# Altium PCB Negatoscop PCB.PcbDoc
Units mm, origin at the board's own origin, x right, y up, seen from the top; angles counter-clockwise.
Board outline 110.88 x 67.7 mm, 2 copper layers (Top Layer, Bottom Layer); 86 components, 78 nets, 289 pads, 114 vias.
Unrouted connection lines stored in the file: 70.
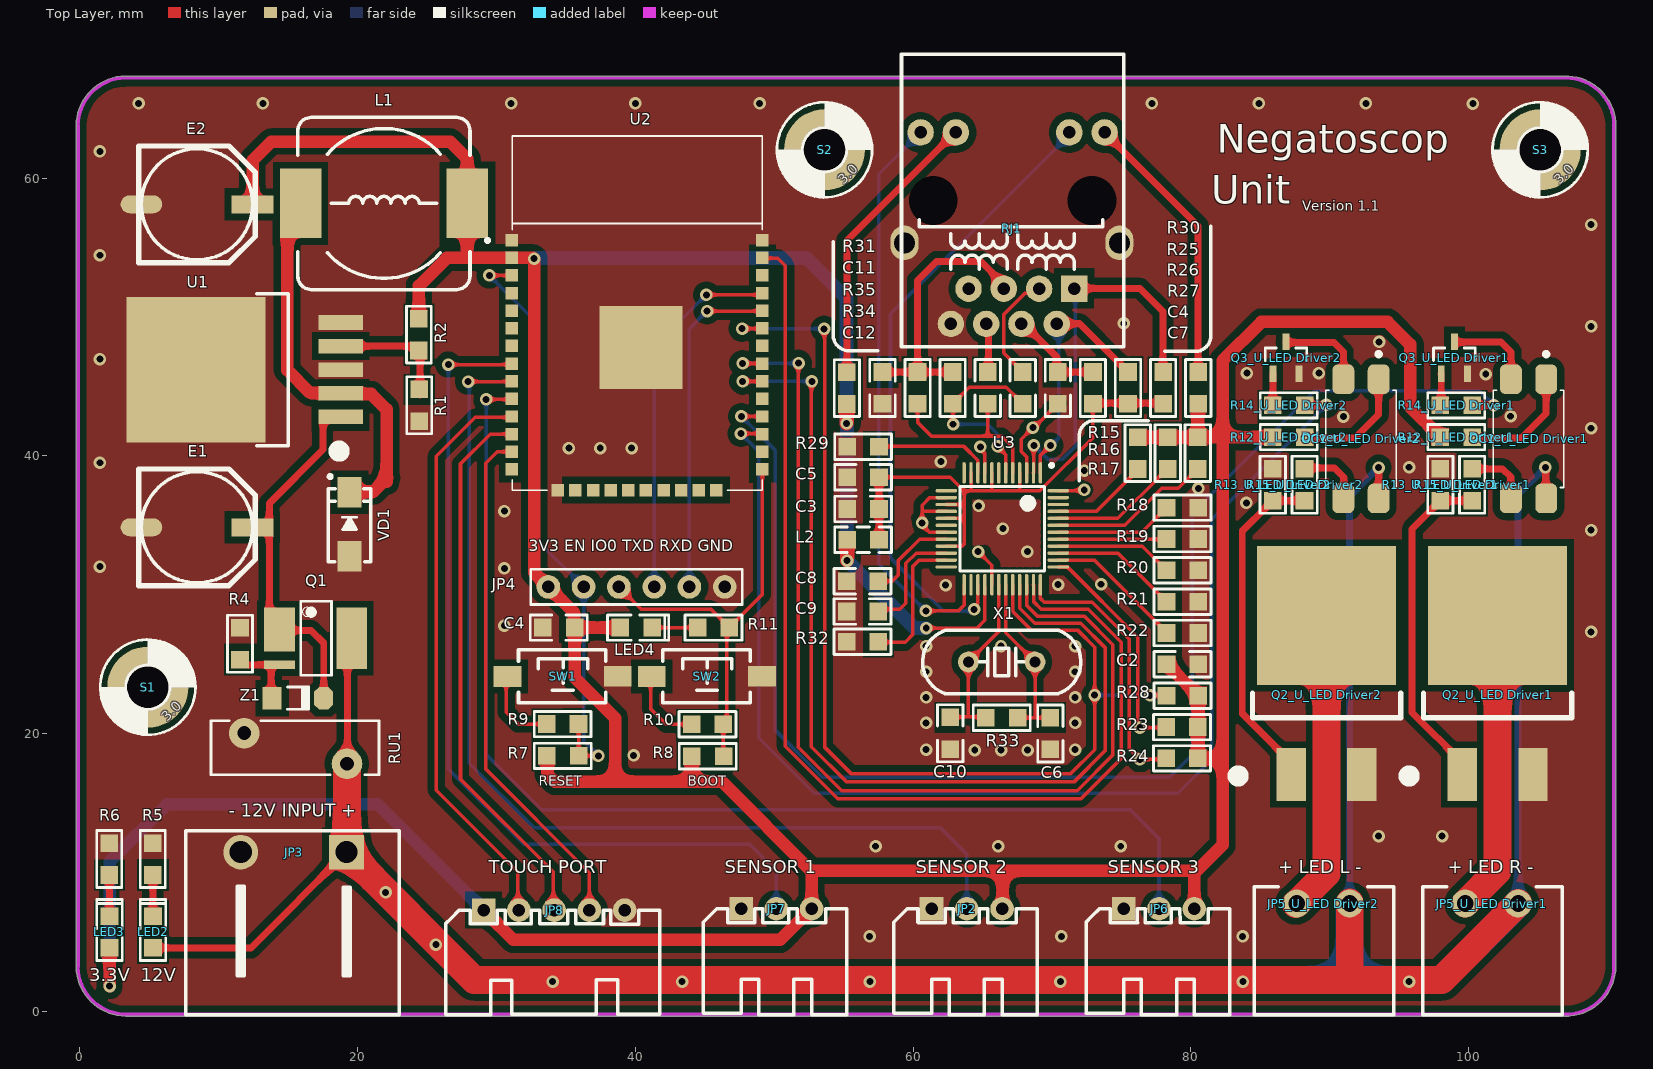
[diagram p0: Top Layer view]
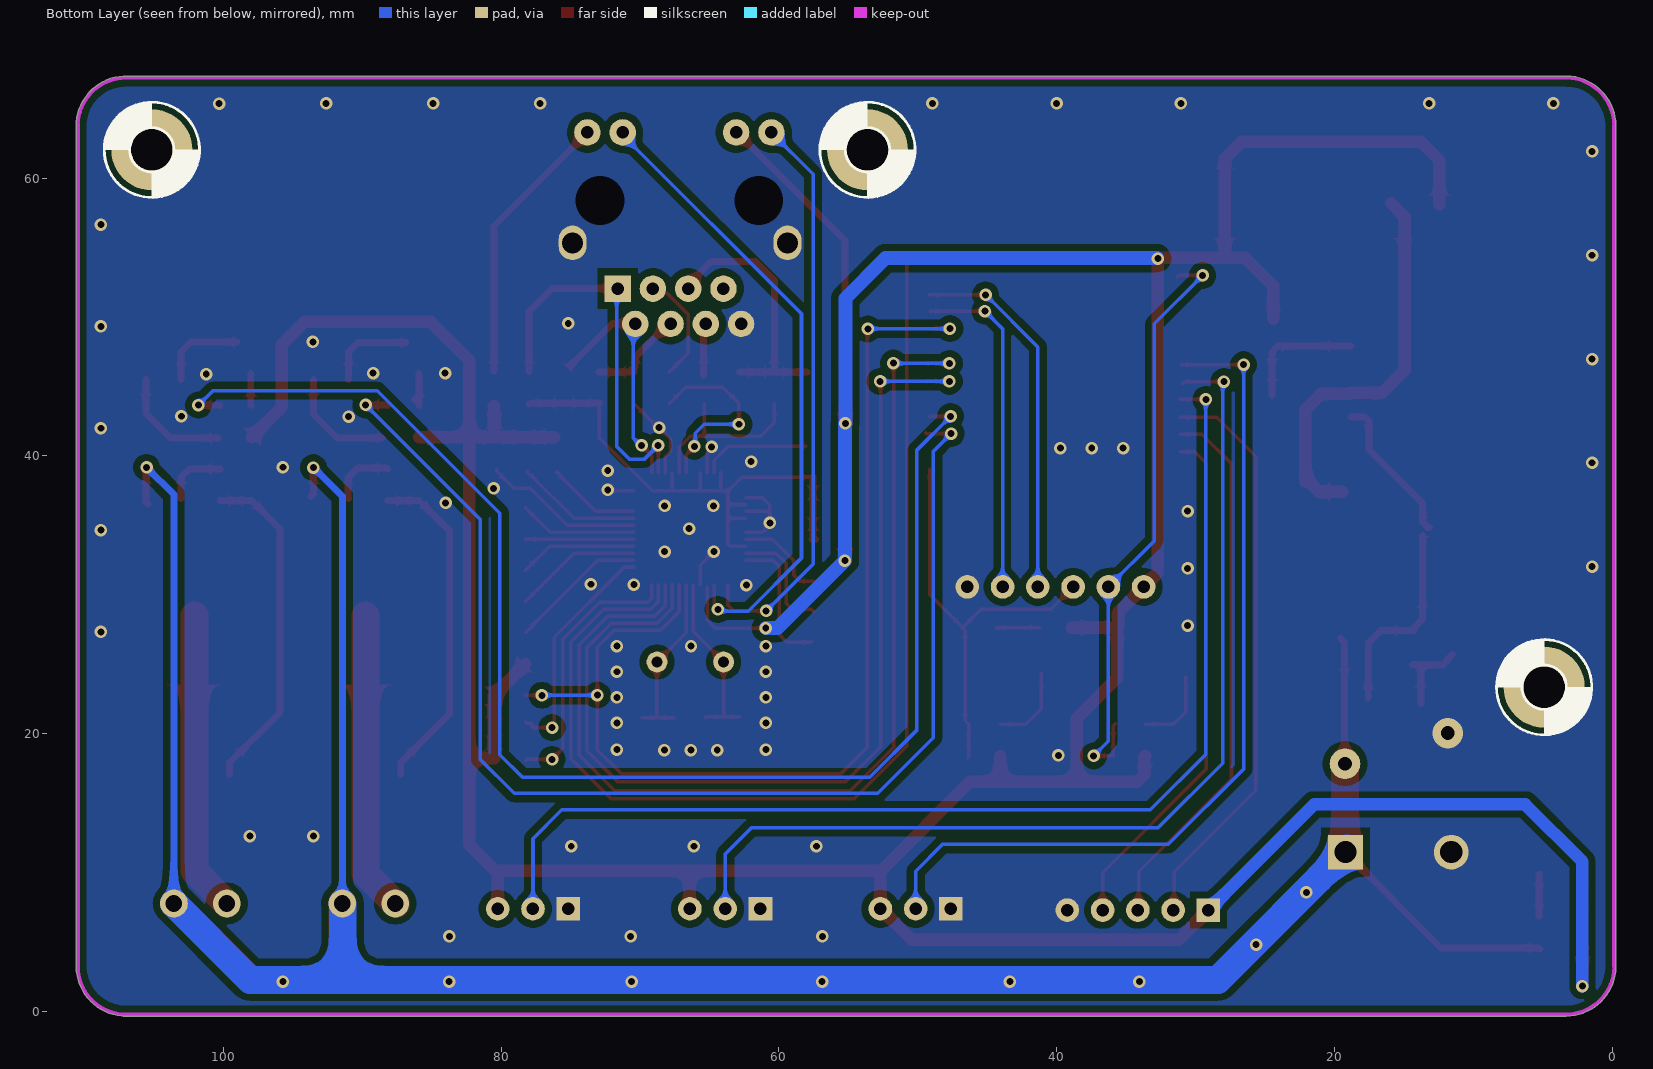
[diagram p1: Bottom Layer view, seen from below]

## Layer stack, top to bottom
Top Solder: solder mask 0.0102, Solder Resist, Dk 3.5
Top Layer: signal copper 0.0356
Dielectric 1: dielectric 0.32, FR-4, Dk 4.8
Bottom Layer: signal copper 0.0356
Bottom Solder: solder mask 0.0102, Solder Resist, Dk 3.5

## Board outline
-0.267,3.474 ccw(c3.323,3.256) 3.288,-0.341 3.289,-0.341 106.79,-0.341 ccw(c107.008,3.25) 107.225,-0.341 107.351,-0.331 ccw(c107.008,3.25) 110.588,2.898 110.605,2.962 110.605,63.537 ccw(c107.014,63.754) 110.611,63.754 ccw(c107.014,63.754) 107.211,67.346 107.175,67.351 3.547,67.351 ccw(c3.33,63.761) -0.267,63.796 -0.267,63.795

## Design rules (kind name [scope] priority, off if disabled: settings)
Clearance Clearance_1 [InNamedPolygon('GND_L01_P002') Or InNamedPolygon('GND_L02_P003')] p1: gap=0.5 ignorepadtopadclearanceinfootprint=FALSE
Clearance [All] p2: gap=0.15 ignorepadtopadclearanceinfootprint=FALSE
HoleSize [All] p1: absolutevalues=TRUE maxlimit=10 minlimit=0.025 maxpercent=80.000 minpercent=20.000
PolygonConnect PolygonConnect_1 [All vs IsNamedPolygon('GND_L01_P002') Or IsNamedPolygon('GND_L02_P003')] p1: connectstyle=Direct reliefconductorwidth=0.254 reliefentries=4 polygonreliefangle="90 Angle" airgapwidth=0.254
PolygonConnect [All] p2: connectstyle=Relief reliefconductorwidth=0.254 reliefentries=4 polygonreliefangle="90 Angle" airgapwidth=0.254
RoomDefinition U_W5500 [InComponentClass('U_W5500')] p1 off: confinementstyle=ConfineIn formatcopy=TRUE lockcomponents=FALSE outline -85.357,-36.154 -34.557,-36.154 -34.557,-10.754 -85.357,-10.754
RoomDefinition "U_LED Driver2" [InComponentClass('U_LED Driver2')] p2 off: confinementstyle=ConfineIn formatcopy=TRUE lockcomponents=FALSE outline -85.357,-36.154 -34.557,-36.154 -34.557,-10.754 -85.357,-10.754
RoomDefinition "U_LED Driver1" [InComponentClass('U_LED Driver1')] p3 off: confinementstyle=ConfineIn formatcopy=TRUE lockcomponents=FALSE outline -85.357,-36.154 -34.557,-36.154 -34.557,-10.754 -85.357,-10.754
RoomDefinition U_Esp32 [InComponentClass('U_Esp32')] p4 off: confinementstyle=ConfineIn formatcopy=TRUE lockcomponents=FALSE outline -85.357,-36.154 -34.557,-36.154 -34.557,-10.754 -85.357,-10.754
RoomDefinition Main [InComponentClass('Main')] p5 off: confinementstyle=ConfineIn formatcopy=TRUE lockcomponents=FALSE outline -85.357,-36.154 -34.557,-36.154 -34.557,-10.754 -85.357,-10.754
RoutingVias [All] p1: holewidth=0.5 width=0.9 viastyle="Through Hole" minholewidth=0.5 minwidth=0.9 maxholewidth=0.5 maxwidth=0.9
SolderMaskExpansion [All] p1: expansion=0.102 istentingtop=FALSE
Width [All] p1: maxlimit=5 minlimit=0.254 preferedwidth=0.5
29 further rules are at their usual default settings.

## Classes and differential pairs
component class U_W5500: C2 C3 C4 C5 C6 C7 C8 C9 C10 C11 C12 L2 "R15_U_LED Driver2" R16 R17 R18 R19 R20 R21 R22 R23 R24 R25 R26 R27 R28 R29 R30 R31 R32 R33 R34 R35 RJ1 U3 X1
component class "U_LED Driver2": "JP5_U_LED Driver2" "OC1_U_LED Driver1" "OC1_U_LED Driver2" "Q2_U_LED Driver2" "Q3_U_LED Driver2" "R12_U_LED Driver2" "R13_U_LED Driver1" "R13_U_LED Driver2" "R14_U_LED Driver2" "R15_U_LED Driver2"
component class "U_LED Driver1": "JP5_U_LED Driver1" "OC1_U_LED Driver1" "Q2_U_LED Driver1" "Q3_U_LED Driver1" "R12_U_LED Driver1" "R13_U_LED Driver1" "R14_U_LED Driver1" "R15_U_LED Driver1"
component class U_Esp32: C4 JP4 LED4 R7 R8 R9 R10 R11 SW1 SW2 U2
channel class "LED Driver": "U_LED Driver1" "U_LED Driver2"
component class Main: E1 E2 JP2 JP3 JP6 JP7 JP8 L1 LED2 LED3 Q1 R1 R2 R4 R5 R6 RU1 S1 S2 S3 U1 VD1 Z1

## Components (designator, comment, footprint, x,y, rotation, side; value= is the part's Value field where it differs from the comment)
C2 "0.1uF" "C 0805" 79.395,24.989 r180 top
C3 "0.1uF" "C 0805" 56.405,36.175 r0 top
C4 "22nF" "C 0805" 70.427,44.897 r270 top
C4 "22uF" "C 0805" 34.486,27.639 r180 top
C5 "0.1uF" "C 0805" 56.405,38.471 r0 top
C6 "18pF" "C 0805" 69.888,20.005 r270 top
C7 "6.8nF" "C 0805" 67.901,44.897 r90 top
C8 "4.7uF" "C 0805" 56.361,30.98 r180 top
C9 "0.01uF" "C 0805" 56.361,28.796 r180 top
C10 "18pF" "C 0805" 62.674,20.03 r270 top
C11 "0.01uF" "C 0805" 57.798,44.897 r270 top
C12 "6.8nF" "C 0805" 65.375,44.897 r90 top
E1 "100uF/50V" "CM E(8*10.2)" 8.433,34.859 r0 top
E2 "220uF/35V" "CM E(8*10.2)" 8.433,58.12 r0 top
JP2 "HDR-1X3" XH2.54-3P_H 61.328,7.386 r0 top
JP3 "HDR-1X2" KF2EDGK-2P_H_7.62 19.205,11.466 r180 top
JP4 "HDR-1X6" HDR-1X6 33.735,30.568 r0 top
"JP5_U_LED Driver1" "HDR-1X2" KF381GR-2 101.816,4.233 r180 top (schematic designator JP5)
"JP5_U_LED Driver2" "HDR-1X2" KF381GR-2 89.687,4.233 r180 top (schematic designator JP5)
JP6 "HDR-1X3" XH2.54-3P_H 75.171,7.386 r0 top
JP7 "HDR-1X3" XH2.54-3P_H 47.612,7.386 r0 top
JP8 "HDR-1X5" XH2.54-5P_H 29.07,7.294 r0 top
L1 "?uH" CDRH125 21.892,58.181 r0 top
L2 "1uH" "L 0805" 56.405,33.965 r0 top
LED2 "LED-SMD" "LED 0805R" 5.263,5.715 r90 top
LED3 "LED-SMD" "LED 0805R" 2.129,5.715 r90 top
LED4 "LED-SMD" "LED 0805B" 40.062,27.639 r0 top
"OC1_U_LED Driver1" "817" PC817-SMD 104.323,41.227 r270 top (schematic designator OC1)
"OC1_U_LED Driver2" "817" PC817-SMD 92.258,41.227 r270 top (schematic designator OC1)
Q1 "FDS4435BZ" SOP8-E3 16.972,26.868 r270 top
"Q2_U_LED Driver1" "IRFZ44N N-Chanel" TO263-3B 102.095,28.509 r0 top (schematic designator Q2)
"Q2_U_LED Driver2" "IRFZ44N N-Chanel" TO263-3B 89.776,28.509 r0 top (schematic designator Q2)
"Q3_U_LED Driver1" "SS8050" SOT23-3N 98.989,47.069 r0 top (schematic designator Q3)
"Q3_U_LED Driver2" "SS8050" SOT23-3N 86.858,47.069 r0 top (schematic designator Q3)
R1 "1K" "R 0805" 24.437,43.645 r90 top
R2 "=Value" "R 0805" 24.407,48.73 r90 top
R4 "1K" "R 0805" 11.524,26.469 r270 top
R5 "10K" "R 0805" 5.247,10.965 r90 top
R6 "1K" "R 0805" 2.113,10.965 r90 top
R7 "10K" "R 0805" 34.771,18.395 r180 top
R8 "10K" "R 0805" 45.209,18.377 r180 top
R9 "1K" "R 0805" 34.763,20.69 r0 top
R10 "1K" "R 0805" 45.192,20.672 r0 top
R11 "1K" "R 0805" 45.623,27.639 r0 top
"R12_U_LED Driver1" "1k" "R 0805" 99.116,41.354 r180 top (schematic designator R12)
"R12_U_LED Driver2" "1k" "R 0805" 87.051,41.354 r180 top (schematic designator R12)
"R13_U_LED Driver1" "10K" "R 0805" 97.973,37.925 r90 top (schematic designator R13)
"R13_U_LED Driver2" "10K" "R 0805" 85.908,37.925 r90 top (schematic designator R13)
"R14_U_LED Driver1" "4.7K" "R 0805" 99.116,43.64 r180 top (schematic designator R14)
"R14_U_LED Driver2" "4.7K" "R 0805" 87.051,43.64 r180 top (schematic designator R14)
R15 "10K" "R 0805" 76.175,40.198 r90 top
"R15_U_LED Driver1" "2.2K" "R 0805" 100.259,37.925 r270 top (schematic designator R15)
"R15_U_LED Driver2" "2.2K" "R 0805" 88.194,37.925 r270 top (schematic designator R15)
R16 "10K" "R 0805" 78.346,40.198 r90 top
R17 "10K" "R 0805" 80.5,40.198 r90 top
R18 "10K" "R 0805" 79.395,36.276 r0 top
R19 "10K" "R 0805" 79.395,34.019 r0 top
R20 "10K" "R 0805" 79.395,31.761 r0 top
R21 "10K" "R 0805" 79.395,29.504 r0 top
R22 "10K" "R 0805" 79.395,27.247 r0 top
R23 "10K" "R 0805" 79.37,20.474 r0 top
R24 "10K" "R 0805" 79.37,18.217 r0 top
R25 "51R" "R 0805" 78.005,44.897 r270 top
R26 "51R" "R 0805" 75.479,44.897 r90 top
R27 "10R" "R 0805" 72.953,44.897 r90 top
R28 "10K" "R 0805" 79.395,22.732 r0 top
R29 "12.4K 1%" "R 0805" 56.405,40.655 r0 top
R30 "1K" "R 0805" 80.531,44.897 r270 top
R31 "1K" "R 0805" 55.232,44.88 r270 top
R32 "10K" "R 0805" 56.361,26.611 r180 top
R33 "1M" "R 0805" 66.383,21.148 r0 top
R34 "82R" "R 0805" 62.85,44.897 r270 top
R35 "82R" "R 0805" 60.324,44.897 r90 top
RJ1 "HR911105A" RJ-45A12 73.793,63.295 r90 top
RU1 "*" "Varistor Short Hieght - Straight" 11.533,18.933 r0 top
S1 "Round Pad" P3.0C 4.892,23.345 r0 top
S2 "Round Pad" P3.0C 53.622,62.045 r0 top
S3 "Round Pad" P3.0C 105.161,62.045 r0 top
SW1 "3x6x5" "TSW SMD-3*6*2.5" 34.796,24.134 r0 top
SW2 "3x6x5" "TSW SMD-3*6*2.5" 45.175,24.134 r0 top
U1 "LM2596-ADJ" TO263-5A 18.786,46.205 r90 top
U2 "ESP32S" ESP32S 8.812,37.504 r0 top
U3 "SPI Ethernet IC" "LQFP48 7X7_L" 66.422,34.751 r180 top
VD1 "SS34" SMA 19.418,35.085 r90 top
X1 "25M" XTAL-HC49S-THD 66.383,25.161 r0 top
Z1 "1N4106" DO-213AA 15.702,22.55 r0 top

## Footprints (in the part's own frame and the unit in brackets; to place one, negate y for a bottom-side part, rotate by r counter-clockwise, add the part's x,y. Pads: shape width x height; smd on the part's side, far side on the other; paste and mask are expansions set on the pad)
"C 0805" [mil] "ï¿½Þ¼ï¿½ï¿½ï¿½ï¿½ï¿½Æ¬ï¿½ï¿½ï¿½ï¿½"
  rect 50x50 smd: 1(-45,0) 2(45,0)
  silkscreen extent -81,-36 81,36, body extent -39,-24 39,24, height 20
CDRH125 [mm] "12*12*5mm£¨³¤¿í¸ß£©"
  rect 3x5 smd: 1(-6,0) 2(6,0)
  silkscreen extent -6.2,-6.2 6.2,6.2, body extent -6,-6 6,6, height 5.05
"CM E(8*10.2)" [mm] "ï¿½ï¿½Æ¬ï¿½ï¿½ï¿½ï¿½ï¿½Ý£ï¿½Ö±ï¿½ï¿½8mmï¿½ï"
  rect 3x1.3 smd: 1(4,0)
  oval 3x1.3 smd: 2(-4,0)
  silkscreen extent -4.2,-4.2 4.2,4.2, body extent -4.5,-4.15 4.5,4.15, height 10.2
DO-213AA [mm] "1.5*3.5mm(Ö±¾¶£¬½Å¾à£©"
  rect 1.37x1.62 smd: 1(-1.855,0)
  oct 1.37x1.62 smd: 2(1.855,0)
  silkscreen extent -0.76,-0.8 0.78,0.8, body extent -1.75,-0.75 1.75,0.75, height 1.53
ESP32S [mm] "ESP32S-Module"
  rect 0.9x0.9 smd: 1(22.301,18.034) 2(22.301,16.764) 3(22.301,15.494) 4(22.301,14.224) 5(22.301,12.954) 6(22.301,11.684) 7(22.301,10.414) 8(22.301,9.144) 9(22.301,7.874) 10(22.301,6.604) 11(22.301,5.334) 12(22.301,4.064) 13(22.301,2.794) 14(22.301,1.524) 15(25.601,0.034) 16(26.871,0.034) 17(28.141,0.034) 18(29.411,0.034) 19(30.681,0.034) 20(31.951,0.034) 21(33.221,0.034) 22(34.491,0.034) 23(35.761,0.034) 24(37.031,0.034) 25(40.335,1.524) 26(40.335,2.794) 27(40.335,4.064) 28(40.335,5.334) 29(40.335,6.604) 30(40.335,7.874) 31(40.335,9.144) 32(40.335,10.414) 33(40.335,11.684) 34(40.335,12.954) 35(40.335,14.224) 36(40.335,15.494) 37(40.335,16.764) 38(40.335,18.034)
  rect 6x6 smd: 39(31.601,10.3)
  silkscreen extent 20.44,0.03 40.32,25.53, body extent 22.31,0.02 40.31,25.52, height 2.84
HDR-1X6 [mm] "ï؟½ï؟½ï؟½ë£¬6ï؟½ï؟½"
  round 1.7 hole 0.9: 1(0,0) 2(2.54,0) 3(5.08,0) 4(7.62,0) 5(10.16,0) 6(12.7,0)
  silkscreen extent -1.27,-1.27 13.97,1.27, body extent -1.27,-1.27 13.97,1.27, height 8.5
KF2EDGK-2P_H_7.62 [mm] "ï¿½ï¿½Ç²ï¿½ï¿½Ê½ï¿½ï¿½ï¿½ï¿½"
  rect 2.5x2.5 hole 1.6: 1(0,0)
  round 2.5 hole 1.6: 2(7.625,0)
  silkscreen extent -3.8,-1.52 11.58,11.7, body extent -3.78,-0.61 11.47,11.59, height 8.04
KF381GR-2 [mm]
  round 2 hole 1.2: 1(-1.755,-3.533) 2(2.055,-3.533)
  silkscreen extent -4.93,-4.73 5.1,4.47, body extent -4.81,-4.7 5.1,4.5, height 7.35
"L 0805" [mm] "Ð¡¹¦ÂÊÌùÆ¬µç¸Ð"
  rect 1.27x1.27 smd: 1(-1.143,0) 2(1.143,0)
  silkscreen extent -2.05,-0.91 2.05,0.91, body extent -1,-0.6 1,0.6, height 0.9
"LED 0805B" [mil] "ï؟½ï؟½ة«0805LED"
  rect 50x50 smd: 1(-45,0) 2(45,0)
  silkscreen extent -81,-36 92,36, body extent -39,-25 39,25, height 32
"LED 0805R" [mil] "ï¿½ï¿½É«0805LED"
  rect 50x50 smd: 1(-45,0) 2(45,0)
  silkscreen extent -81,-36 92,36, body extent -39,-25 39,25, height 32
"LQFP48 7X7_L" [mm] "48½Å£¬Ìå¿í7x7mm£¬½Å¾à0.5mm"
  oval 0.25x1.55 smd: 1(-2.75,-4.025) 2(-2.25,-4.025) 3(-1.75,-4.025) 4(-1.25,-4.025) 5(-0.75,-4.025) 6(-0.25,-4.025) 7(0.25,-4.025) 8(0.75,-4.025) 9(1.25,-4.025) 10(1.75,-4.025) 11(2.25,-4.025) 12(2.75,-4.025) 25(2.75,4.025) 26(2.25,4.025) 27(1.75,4.025) 28(1.25,4.025) 29(0.75,4.025) 30(0.25,4.025) 31(-0.25,4.025) 32(-0.75,4.025) 33(-1.25,4.025) 34(-1.75,4.025) 35(-2.25,4.025) 36(-2.75,4.025)
  oval 1.55x0.25 smd: 13(4.025,-2.75) 14(4.025,-2.25) 15(4.025,-1.75) 16(4.025,-1.25) 17(4.025,-0.75) 18(4.025,-0.25) 19(4.025,0.25) 20(4.025,0.75) 21(4.025,1.25) 22(4.025,1.75) 23(4.025,2.25) 24(4.025,2.75) 37(-4.025,2.75) 38(-4.025,2.25) 39(-4.025,1.75) 40(-4.025,1.25) 41(-4.025,0.75) 42(-4.025,0.25) 43(-4.025,-0.25) 44(-4.025,-0.75) 45(-4.025,-1.25) 46(-4.025,-1.75) 47(-4.025,-2.25) 48(-4.025,-2.75)
  silkscreen extent -3.68,-4.7 3.05,3.05, body extent -4.5,-4.5 4.5,4.5, height 1.45
P3.0C [mil] "MOUNTING PAD 3.0 mm, round, 5.8 mm Diameter"
  round 230 hole 118.11: P(0,0)
  silkscreen extent -135,-135 135,135
PC817-SMD [mm]
  rrect50% 2.13x1.57 smd: 1(-4.29,1.27) 2(-4.29,-1.27) 3(4.29,-1.27) 4(4.29,1.27)
  silkscreen extent -6.25,-2.54 3.5,2.54, body extent -4.87,-2.29 4.87,2.29, height 4
"R 0805" [mm] "1/8Wï¿½ï¿½Æ¬ï¿½ï¿½ï¿½ï¿½"
  rect 1.27x1.27 smd: 1(-1.143,0) 2(1.143,0)
  silkscreen extent -2.05,-0.9 2.05,0.9, body extent -1,-0.62 1,0.63, height 0.5
RJ-45A12 [mil] "ï¿½ï¿½ï¿½ß½Ó¿ï¿½"
  oval 98.43x78.74 hole 59.06: 0(-312.99,567.32) 0(-312.99,-42.13)
  round 130 hole 137.8: 0(-192.91,485.83) 0(-192.91,35.83)
  rect 75x75 hole 35.43: 1(-442.91,85.83)
  round 75 hole 35.43: 2(-542.91,135.83) 3(-442.91,185.83) 4(-542.91,235.83) 5(-442.91,285.83) 6(-542.91,335.83) 7(-442.91,385.83) 8(-542.91,435.83) 9(0,0) 10(0,100) 11(0,421.65) 12(0,521.65)
  silkscreen extent -608,-54 222,576, body extent -605,-53 237,572, height 59
SMA [mm] "4.5x2.6*2.2mm£¨³¤¿í¸ß£¬²»°üÀ¨Òý½Å£©"
  rect 2.2x1.75 smd: 1(-2.3,0) 2(2.3,0)
  silkscreen extent -2.7,-1.52 3.56,1.52, body extent -2.53,-1.3 2.58,1.3, height 2.15
SOP8-E3 [mm]
  rect 3.15x2.2 smd mask+0: 1-3(-0.635,-2.6)
  rect 0.6x2.2 smd: 4(1.905,-2.6)
  rect 4.4x2.2 smd mask+0: 5-8(0,2.6)
  silkscreen extent -2.67,-1.07 2.67,1.14, body extent -2.46,-3.07 2.54,2.93, height 1.9
SOT23-3N [mm] "3x1.3x1mm(ï؟½ï؟½ï؟½ï؟½ï؟½)"
  rect 0.5x1.2 smd: 1(-0.95,-1.143) 2(0.95,-1.143) 3(0,1.143)
  silkscreen extent -1.5,-0.2 1.5,0.7, body extent -1.5,-1.2 1.5,1.2, height 1.05
TO263-3B [mm] "263£¬3½إ¾§جه¹ـ"
  rect 2.1x3.8 smd: 1(-2.54,-11.45) 3(2.54,-11.45)
  rect 10x10 smd: 2(0,0)
  silkscreen extent -6.75,-11.94 5.33,-5.59, body extent -5,-11.46 5,3.47, height 4.5
TO263-5A [mm] "263£¬5½Å¾§Ìå¹Ü"
  rect 1.05x3.2 smd: 1(-3.4,0) 2(-1.7,0) 3(0,0) 4(1.7,0) 5(3.4,0)
  rect 10.45x10 smd: 3(0,10.414)
  silkscreen extent -6.24,-0.25 5.46,6.04, body extent -5,-0.01 5,13.32, height 4.5
"TSW SMD-3*6*2.5" [mm] "3*6*2.5mm"
  rect 2x1.5 smd: 1(-3.996,-0.02) 2(3.937,0)
  silkscreen extent -3.21,-1.9 3.09,1.9, body extent -4,-1.88 4,1.62, height 2.59
"Varistor Short Hieght - Straight" [mm] "B57237"
  round 2.2 hole 1: 1(0.3,1.1) 2(7.7,-1.1)
  silkscreen extent -2.1,-1.9 10,2, body extent -2,-1.9 10,1.9, height 13
XH2.54-3P_H [mm] "½Ó²å¼þ£¬3P"
  rect 1.7x1.7 hole 0.9: 1(0,0)
  round 1.7 hole 0.9: 2(2.54,0) 3(5.08,0)
  silkscreen extent -2.72,-7.62 7.62,0, body extent -2.5,-7.35 7.58,0.35, height 5.73
XH2.54-5P_H [mm] "½Ó²å¼þ£¬5P"
  rect 1.7x1.7 hole 0.9: 1(0,0)
  round 1.7 hole 0.9: 2(2.54,0) 3(5.08,0) 4(7.62,0) 5(10.16,0)
  silkscreen extent -2.72,-7.53 12.7,0, body extent -2.5,-7.35 12.66,0.35, height 5.73
XTAL-HC49S-THD [mm]
  round 1.5 hole 0.8: 1(-2.4,0) 2(2.4,0)
  silkscreen extent -5.7,-2.28 5.7,2.28, body extent -5.68,-2.35 5.68,2.3, height 3.5

## Part data
C2 C3 C4 C4 C5 C6 C7 C8 C9 C10 C11 C12: library part C, "Non-polar patch capacitor", BOM名称=无极性贴片电容, 学习资源=www.ooocke.com, 版权归属=源创客
E1 E2: library part C-CM, "Chip electrolytic capacitor", BOM名称=贴片电解电容, 学习资源=www.ooocke.com, 版权归属=源创客
JP2 JP6 JP7: library part "Header 3", "3P Connector", BOM名称=3P接插件, 学习资源=www.ooocke.com, 版权归属=源创客
JP3 "JP5_U_LED Driver1" "JP5_U_LED Driver2": library part "Header 2", "2P Connector", BOM名称=2P接插件, 学习资源=www.ooocke.com, 版权归属=源创客
JP4: library part "Header 6", "6P Connector", BOM名称=6P接插件, 学习资源=www.ooocke.com, 版权归属=源创客
JP8: library part "Header 5", "5P Connector", BOM名称=5P接插件, 学习资源=www.ooocke.com, 版权归属=源创客
L1: library part L-CDRH, "Power shielded inductor", BOM名称=功率屏蔽电感, 学习资源=www.ooocke.com, 版权归属=源创客
L2: library part L, "Low power chip inductor", BOM名称=小功率贴片电感, 学习资源=www.ooocke.com, 版权归属=源创客
LED2 LED3 LED4: "Patch LED", BOM名称=贴片LED, 学习资源=www.ooocke.com, 版权归属=源创客
"OC1_U_LED Driver1" "OC1_U_LED Driver2": "AC Input Photocoupler", BOM名称=线性光耦, 学习资源=www.ooocke.com, 版权归属=源创客
"Q2_U_LED Driver1" "Q2_U_LED Driver2": library part IRFZ44N
"Q3_U_LED Driver1" "Q3_U_LED Driver2": library part 8050-SMD, "High frequency amplification-NPN", BOM名称=高频放大-NPN型, 学习资源=www.ooocke.com, 属性="40V 1.5A 1W 100MHZ", 版权归属=源创客
R1 R2 R4 R5 R6 R7 R8 R9 R10 R11 "R12_U_LED Driver1" "R12_U_LED Driver2" "R13_U_LED Driver1" "R13_U_LED Driver2" "R14_U_LED Driver1" "R14_U_LED Driver2" R15 "R15_U_LED Driver1" "R15_U_LED Driver2" R16 R17 R18 R19 R20 R21 R22 R23 R24 R25 R26 R27 R28 R29 R30 R31 R32 R33 R34 R35: library part R, "Chip resistor", BOM名称="Chip resistor", 学习资源=www.ooocke.com, 版权归属=源创客
RJ1: "Illuminated Ethernet interface", BOM名称=带灯以太网接口, 学习资源=www.ooocke.com, 版权归属=源创客
RU1: library part V, "Versiror"
S1 S2 S3: library part MOUNT-PAD-ROUND, "MOUNTING PAD, round"
SW1 SW2: library part "TSW 3x6", "3x6 tact switch", BOM名称=3x6轻触开关, 学习资源=www.ooocke.com, 版权归属=源创客
U1: library part LM2596, "DC step-down chip", BOM名称=DC稳压芯片, 学习资源=www.ooocke.com, 版权归属=源创客
U2: Package="Module Espressif Systems", Availability=Unavailable, MF="Espressif Systems", MP=ESP32-WROOM-32D, Price=None, SnapEDA_Link=https://www.snapeda.com/parts/ESP32-WROOM-32D/Espressif%20Systems/view-part/?ref=snap
U3: library part W5500
VD1: "Schottky diodes", BOM名称=肖特基二极管, 学习资源=www.ooocke.com, 属性=40V/3A, 版权归属=源创客
X1: library part XTAL-2, "2-Pin crystal", BOM名称=2脚晶振, 学习资源=www.ooocke.com, 版权归属=源创客
Z1: "12V/0.5W voltage regulator", BOM名称=12V/0.5W稳压管, 学习资源=www.ooocke.com, 版权归属=源创客

## Via types
v1: diameter 0.9, hole 0.5, Top Layer to Bottom Layer, tented both sides, 114 vias

## Nets (pads, with @x,y where several pads share a name; then routed paths per layer and width w, separated by ;. In a path a pad name is that pad's centre, name@x,y a point inside that pad or via, vN(x,y) a via of type N, cw(c..) or ccw(c..) an arc to the next point about the centre after c; other vN are vias at no path point)
3.3V: "R12_U_LED Driver1.2" "R12_U_LED Driver2.2" C2.2 C4.1@35.629,27.639 E2.1 JP2.3 JP4.1 JP6.3 JP7.3 JP8.1 L1.2 L2.1 LED3.1 LED4.1 R2.2 R7.2 R8.2 R15.2 R16.2 R17.2 R23.2 R24.2 R28.2 R30.2 R31.2 U2.2 U3.28 | length 353.6
  Top Layer w0.254: R31.2@55.212,43.717 R31.2 ; v1(60.948,27.602) 64.61,27.602 65.164,28.156 U3.28@65.164,30.556
  Top Layer w0.9: LED3.1@2.065,4.552 2.131,4.486 v1(2.131,1.814) ; E2.1 12.433,61.285 13.782,62.634 26.66,62.634 27.892,61.401 L1.2 27.892,54.348 ; R2.2 24.407,52.25 26.425,54.268 U2.2 32.645,54.268 v1(32.705,54.209) 32.705,31.598 34.335,29.968 35.572,28.731 35.572,27.697 C4.1@35.629,27.639 ; JP8.1@29.146,7.217 31.213,5.151 50.431,5.151 52.665,7.386 JP7.3 52.692,10.074 46.228,16.538 44.067,16.538 ; R7.2 33.678,18.345 33.678,17.065 34.205,16.538 38.534,16.538 ; LED4.1 C4.1@35.629,27.639 ; R8.2 44.067,16.538 ; 52.715,10.127 66.452,10.127 ; JP2.3@66.258,7.31 JP2.3@66.274,7.325 ; JP2.3@66.304,7.295 66.452,7.443 66.452,10.127 ; R15.2 R16.2 R17.2@80.424,41.341 ; C2.2 78.437,24.804 78.466,24.804 R28.2 ; 80.167,9.855 82.296,11.984 82.296,18.217 ; JP6.3 80.251,10.127 66.452,10.127 ; R17.2@80.424,41.387 80.464,41.347 R17.2@80.5,41.347 ; R24.2 82.296,18.217 ; R24.2@80.526,18.229 R28.2@80.526,22.732 ; R30.2@80.533,43.574 80.505,43.574 80.5,43.569 R17.2@80.5,41.347 ; 82.296,41.194 82.296,18.217 ; 85.908,41.354 85.901,41.347 82.296,41.347 ; 97.973,41.354 95.804,43.523 95.804,48.029 94.178,49.654 85.087,49.654 82.296,46.863 82.296,41.347 ; C4.1@35.629,27.639 35.629,24.028 38.534,21.123 38.534,16.538 ; 38.534,16.538 44.067,16.538 ; R17.2@80.5,41.347 82.296,41.347
  Top Layer w1: v1(55.212,42.344) R31.2@55.212,43.717 ; v1(55.242,32.464) 55.242,33.946 L2.1@55.245,33.948
  Bottom Layer w0.9: v1(2.131,1.814) 2.131,10.78 6.259,14.907 21.457,14.907 JP8.1
  Bottom Layer w1: v1@32.784,54.252 52.314,54.252 55.212,51.354 v1(55.212,42.344) ; v1@55.245,42.311 55.245,32.466 v1(55.242,32.464) 60.104,27.602 v1(60.948,27.602)
12V: E1.1 Q1.1-3 U1.1 Z1.2 | length 25.7
  Top Layer w0.5: E1.1@13.148,34.859 13.25,34.859 13.65,35.259 13.65,36.591 17.505,40.446 17.505,42.53 17.78,42.805 U1.1 ; E1.1@13.637,34.259 13.637,28.238 Q1.1-3 ; Q1.1-3@14.249,27.442 16.645,27.442 17.557,26.529 Z1.2
12VIN: "JP5_U_LED Driver1.1" "JP5_U_LED Driver2.1" "OC1_U_LED Driver1.4" "OC1_U_LED Driver2.4" JP3.1 LED2.1 Q1.5-8 RU1.2 | length 293.6
  Top Layer w0.5: LED2.1@5.184,4.475 5.281,4.572 12.311,4.572 JP3.1 ; RU1.2@19.254,17.872 19.254,26.55 Q1.5-8 ; v1(93.528,39.159) 93.528,37.259 93.708,37.079 ; 105.418,36.535 105.567,36.685 105.567,39.152 v1(105.542,39.177)
  Top Layer w2: JP3.1 28.405,2.266 98.057,2.266 103.584,7.793 ; JP3.1@19.233,11.511 RU1.2 ; 91.425,7.81 91.45,7.836 ; 91.442,2.436 91.442,7.766
  Bottom Layer w0.5: 91.434,7.836 91.434,37.065 v1(93.528,39.159) ; 103.571,7.766 103.571,37.206 v1(105.542,39.177)
  Bottom Layer w2: JP3.1@19.093,11.565 JP3.1@19.093,11.72 ; JP3.1 28.405,2.266 91.41,2.266 ; 91.442,7.766 91.41,7.733 91.41,2.266 ; 103.571,7.766 98.071,2.266 91.41,2.266
  other v1: 34.049,2.14 43.363,2.14 56.886,2.14 70.612,2.14 83.751,2.14 95.717,2.14 25.634,4.809 22.012,8.566
/INT: R24.1 U3.36 | length 19.5
  Top Layer w0.254: U3.36 69.172,29.731 69.451,29.451 72.908,29.451 75.565,26.794 75.565,18.926 v1(76.34,18.151) 78.143,18.151 R24.1@78.245,18.049
/RESET: R23.1 U3.37 | length 16.6
  Top Layer w0.254: U3.37 71.121,32.001 76.172,26.949 76.172,20.909 76.216,20.865 76.216,20.56 v1(76.34,20.437) 77.737,20.437 77.799,20.499 77.799,20.753 78.183,20.753 R23.1@78.245,20.815
/SPI-SCS: R28.1 U2.33 U3.32 | length 79.9
  Top Layer w0.254: v1(47.686,49.169) 49.113,49.169 U2.33@49.136,49.146 ; v1(53.597,49.146) 53.624,49.119 53.624,19.035 55.535,17.125 71.354,17.125 73.076,18.847 73.076,26.226 71.841,27.46 68.509,27.46 67.172,28.797 U3.32 ; v1(77.064,22.761) 78.223,22.761 R28.1
  Bottom Layer w0.254: v1(47.686,49.169) 47.697,49.158 53.585,49.158 v1(53.597,49.146) ; v1(73.076,22.776) 73.083,22.769 77.056,22.769 v1(77.064,22.761)
ACTLED: RJ1.10 U3.27 | length 45.6
  Top Layer w0.254: v1(64.392,28.946) 64.392,29.121 64.672,29.401 U3.27
  Bottom Layer w0.254: v1(64.392,28.946) 64.268,28.822 62.204,28.822 58.374,32.652 58.374,50.228 RJ1.10@71.467,63.321
Dimmer_1: "R14_U_LED Driver1.1" U2.28 | length 102
  Top Layer w0.254: v1@47.767,42.936 47.856,42.847 49.138,42.847 U2.28
  Top Layer w0.5: 100.259,43.64 100.268,43.649 101.797,43.649 v1(101.806,43.658)
  Bottom Layer w0.254: v1(47.633,42.847) 50.091,40.389 50.091,20.223 53.464,16.85 78.466,16.85 80.099,18.484 80.099,35.872 88.93,44.704 100.759,44.704 101.686,43.777 v1@101.951,43.777
DImmer_2: "R14_U_LED Driver2.1" U2.27 | length 90.1
  Top Layer w0.254: v1(47.598,41.61) 49.377,41.61 U2.27@49.418,41.651
  Top Layer w0.5: 88.194,43.64 88.209,43.655 89.743,43.655 v1(89.759,43.67)
  Bottom Layer w0.254: v1(47.598,41.61) 48.89,40.317 48.89,19.695 52.884,15.701 79.063,15.701 81.524,18.161 81.524,35.436 v1(89.759,43.67)
EN: JP4.2 R7.1 R9.2 U2.3 | length 43.4
  Top Layer w0.254: v1(29.489,52.995) 31.186,52.995 U2.3@31.3,52.88 ; R9.2@35.786,20.696 35.914,20.568 R7.1 35.919,18.4 v1(37.333,18.4)
  Bottom Layer w0.254: v1(29.489,52.995) 32.969,49.515 32.969,33.874 JP4.2 ; JP4.2@36.379,30.464 36.275,30.359 36.275,19.458 v1(37.333,18.4)
GND: "Q2_U_LED Driver1.3" "Q2_U_LED Driver2.3" "Q3_U_LED Driver1.2" "Q3_U_LED Driver2.2" "R13_U_LED Driver1.2" "R13_U_LED Driver2.2" C2.1 C3.1 C4.2 C5.1 C6.2 C8.2 C9.2 C10.2 C11.2 E1.2 E2.2 JP2.1 JP3.2 JP4.6 JP6.1 JP7.1 JP8.5 R1.1 R4.1 R5.2 R6.2 R18.2 R19.2 R20.2 R21.2 R22.2 R29.1 R32.2 RJ1.0 RJ1.8 RU1.1 SW1.2 SW2.2 U1.3 U1.5 U2.1 U2.15 U2.38 U2.39 U3.3 U3.9 U3.14 U3.16 U3.19 U3.29 U3.48 VD1.1 | length 20.2
  Top Layer w0.254: 60.65,36.001 60.65,36.446 61.204,37.001 U3.14 ; U3.19 62.395,34.503 61.153,34.503 60.538,35.118 60.596,35.176 v1(60.656,35.176) 60.656,36.001 U3.16 ; v1@64.752,32.974 64.828,32.974 65.672,32.131 U3.29 ; v1(64.852,40.649) 64.852,40.474 65.172,40.154 U3.9 ; U3.3 68.172,39.932 67.785,40.319 67.785,41.204 v1(68.623,42.042) ; v1@68.68,42.007 70.427,43.754 C4.2@70.485,43.812 ; U3.48 70.449,37.503 72.273,37.503 v1(72.326,37.556)
  other v1: 56.868,5.401 70.688,5.401 83.736,5.401 57.3,11.888 66.129,11.888 74.958,11.888 93.528,12.62 98.097,12.62 39.868,18.435 64.44,18.814 66.347,18.814 68.255,18.814 60.935,18.852 71.666,18.852 60.935,20.778 71.666,20.778 60.935,22.617 71.666,22.617 60.935,24.457 71.666,24.457 60.935,26.297 66.332,26.297 71.666,26.297 108.834,27.325 30.574,27.781 62.344,30.701 70.444,30.739 73.546,30.759 30.574,31.904 1.438,32.035 64.689,33.114 68.227,33.114 108.834,34.659 66.469,34.762 30.574,36.027 64.727,36.401 68.235,36.401 84.003,36.622 80.543,37.655 72.326,38.948 95.728,39.182 1.438,39.507 61.999,39.586 35.217,40.564 37.473,40.564 39.73,40.564 108.834,41.993 90.983,42.824 103.04,42.857 101.242,45.89 84.041,45.956 89.233,45.956 1.438,46.979 93.563,48.204 108.834,49.326 75.171,49.538 1.438,54.451 108.831,56.66 1.438,61.923 100.312,65.369 4.232,65.392 13.174,65.392 31.06,65.392 40.003,65.392 48.946,65.392 77.195,65.392 84.901,65.392 92.607,65.392
INTERRUPT1: JP8.4 U2.13 | length 37.7
  Top Layer w0.254: U2.13 30.057,40.298 29.223,39.464 29.223,17.449 36.69,9.982 JP8.4@36.69,7.102
IO0: JP4.3 R8.1 R10.2 R11.2 U2.25 | length 31
  Top Layer w0.254: JP4.3 40.427,28.956 45.449,28.956 R11.2@46.762,27.643 ; R8.1@46.403,18.25 46.335,18.319 R10.2 46.591,20.929 46.591,27.388 R11.2@46.808,27.605 ; R11.2@46.879,27.752 49.147,30.02 U2.25
LAN_CLK: U2.30 U3.33 | length 72.5
  Top Layer w0.254: v1(47.724,45.372) 49.289,45.372 U2.30@49.306,45.354 ; v1(52.718,45.372) 52.718,45.295 52.675,45.251 52.675,19.065 55.22,16.52 71.59,16.52 73.825,18.755 73.825,26.2 72.067,27.958 68.755,27.958 67.672,29.041 U3.33
  Bottom Layer w0.254: v1(47.724,45.372) v1(52.718,45.372)
LAN_MISO: U2.31 U3.34 | length 75.1
  Top Layer w0.254: v1(47.724,46.657) 49.195,46.657 U2.31@49.251,46.601 ; v1@51.735,46.678 51.735,19.025 54.864,15.895 71.819,15.895 74.384,18.461 74.384,26.413 72.342,28.456 68.956,28.456 68.172,29.24 U3.34 ; v1@51.735,46.709 51.735,46.693 v1(51.75,46.678)
  Bottom Layer w0.254: v1(47.724,46.657) 47.734,46.667 51.74,46.667 v1(51.75,46.678)
LAN_MOSI: U2.37 U3.35 | length 80.5
  Top Layer w0.254: U2.37@49.233,54.242 50.259,54.242 50.797,53.703 50.797,19.086 54.567,15.316 72.09,15.316 74.983,18.209 74.983,26.589 72.619,28.953 69.235,28.953 68.674,29.515 68.674,30.724 U3.35
LED-: "JP5_U_LED Driver1.2" "JP5_U_LED Driver2.2" "Q2_U_LED Driver1.2" "Q2_U_LED Driver2.2" | length 43.3
  Top Layer w2: 87.559,7.729 87.559,7.735 ; 87.632,7.766 89.776,9.91 89.776,28.509 ; 99.761,7.766 102.095,10.1 102.095,28.509
LINKLED: RJ1.12 U3.25 | length 41.5
  Top Layer w0.254: v1(60.922,28.834) 63.248,28.834 63.67,29.256 63.67,30.724 U3.25
  Bottom Layer w0.254: RJ1.12 57.539,60.29 57.539,32.217 v1(60.922,28.834)
NetC8_1: C8.1 U3.20 | length 6.8
  Top Layer w0.254: C8.1 58.495,30.98 58.948,31.433 58.948,32.477 60.472,34.001 U3.20
NetL1_1: L1.1 U1.2 VD1.2 | length 29.1
  Top Layer w0.9: L1.1 14.933,57.222 14.933,46.182 16.581,44.534 18.757,44.534 18.829,44.462 20.976,44.462 22.088,43.35 22.088,38.143 ; VD1.2 19.451,37.418 21.116,37.418 22.136,38.438
NetLED2_2: LED2.2 R5.1 | length 3
  Top Layer w0.5: R5.1@5.235,9.888 5.255,9.868 5.255,6.866 LED2.2
NetLED3_2: LED3.2 R6.1 | length 3
  Top Layer w0.5: LED3.2 2.121,6.866 2.121,9.855 R6.1@2.154,9.888
NetLED4_2: LED4.2 R11.1 | length 3.2
  Top Layer w0.254: LED4.2 44.281,27.639 R11.1@44.356,27.564
"NetOC1_U_LED Driver1_1": "OC1_U_LED Driver1.1" "R12_U_LED Driver1.1" | length 8.4
  Top Layer w0.5: 100.393,41.265 100.414,41.285 103.825,41.285 105.593,43.053 105.593,45.517
"NetOC1_U_LED Driver1_2": "OC1_U_LED Driver1.2" "Q3_U_LED Driver1.3" | length 6.3
  Top Layer w0.5: 99.019,48.199 102.349,48.199 103.053,47.495 103.053,45.517
"NetOC1_U_LED Driver1_3": "OC1_U_LED Driver1.3" "R15_U_LED Driver1.1" | length 4.6
  Top Layer w0.5: 100.259,39.068 102.459,39.068 103.053,38.474 103.053,36.937
"NetOC1_U_LED Driver2_1": "OC1_U_LED Driver2.1" "R12_U_LED Driver2.1" | length 8.2
  Top Layer w0.5: 88.585,41.285 91.829,41.285 93.528,42.984 93.528,45.517
"NetOC1_U_LED Driver2_2": "OC1_U_LED Driver2.2" "Q3_U_LED Driver2.3" | length 6.4
  Top Layer w0.5: 86.845,48.169 90.305,48.169 90.988,47.485 90.988,45.517
"NetOC1_U_LED Driver2_3": "OC1_U_LED Driver2.3" "R15_U_LED Driver2.1" | length 4.7
  Top Layer w0.5: 88.194,39.068 88.265,39.139 90.342,39.139 91.022,38.459 91.022,36.971 90.988,36.937
NetQ1_4: Q1.4 R4.2 Z1.1 | length 5.5
  Top Layer w0.5: R4.2@11.493,25.705 11.879,25.32 R4.2@11.879,25.22 ; 12.169,24.945 13.74,24.945 13.772,24.913 Z1.1@13.772,22.182 ; Q1.4@13.822,24.963 Q1.4
"NetQ2_U_LED Driver1_1": "Q2_U_LED Driver1.1" "R13_U_LED Driver1.1" "R15_U_LED Driver1.2" | length 24.3
  Top Layer w0.5: 97.935,36.761 97.935,36.743 95.943,34.752 95.943,21.521 99.555,17.909 99.555,17.059 ; 97.973,36.782 100.259,36.782
"NetQ2_U_LED Driver2_1": "Q2_U_LED Driver2.1" "R13_U_LED Driver2.1" "R15_U_LED Driver2.2" | length 24
  Top Layer w0.5: 85.649,36.52 85.646,36.52 85.523,36.397 85.523,36.394 83.706,34.577 83.706,21.439 87.236,17.909 87.236,17.059 ; 85.908,36.782 88.194,36.782
"NetQ3_U_LED Driver1_1": "Q3_U_LED Driver1.1" "R14_U_LED Driver1.2" | length 2.3
  Top Layer w0.5: 97.973,43.64 98.039,43.706 98.039,45.926 ; 98.034,45.883 98.039,45.877
"NetQ3_U_LED Driver2_1": "Q3_U_LED Driver2.1" "R14_U_LED Driver2.2" | length 2.4
  Top Layer w0.5: 85.908,43.64 85.908,45.926 ; 86.149,43.952 86.233,44.036
NetR1_2: R1.2 R2.1 U1.4 | length 9
  Top Layer w0.5: U1.4 24.083,47.905 24.468,47.52 R2.1@24.468,47.401 ; R1.2@24.498,44.389 R2.1@24.498,47.401
NetR9_1: R9.1 SW1.1 | length 5.8
  Top Layer w0.254: SW1.1@30.696,24.084 30.696,21.549 31.556,20.69 R9.1
NetR10_1: R10.1 SW2.1 | length 6
  Top Layer w0.254: SW2.1@41.095,24.338 41.095,21.803 42.226,20.672 R10.1
NetR18_1: R18.1 U3.42 | length 8.5
  Top Layer w0.254: U3.42 76.477,34.501 R18.1
NetR19_1: R19.1 U3.41 | length 7.8
  Top Layer w0.254: U3.41 71.093,34.001 71.098,33.995 R19.1@78.27,33.995
NetR20_1: R20.1 U3.40 | length 8.5
  Top Layer w0.254: U3.40 76.513,33.501 R20.1
NetR21_1: R21.1 U3.39 | length 9.3
  Top Layer w0.254: U3.39 74.756,33.001 R21.1
NetR22_1: R22.1 U3.38 | length 10
  Top Layer w0.254: U3.38 73.039,32.501 77.744,27.795 77.744,27.754 78.194,27.305 R22.1@78.235,27.305
NetR29_2: R29.2 U3.10 | length 7.9
  Top Layer w0.254: R29.2@58.056,40.681 63.665,40.681 64.67,39.676 64.67,38.778 U3.10
NetR30_1: R30.1 RJ1.9 | length 20
  Top Layer w0.5: RJ1.9 80.531,56.557 R30.1@80.531,46.105
NetR31_1: R31.1 RJ1.11 | length 20.5
  Top Layer w0.5: R31.1 55.232,55.504 RJ1.11@63.033,63.305
NetR32_1: R32.1 U3.23 | length 10.1
  Top Layer w0.254: R32.1@57.65,26.629 57.694,26.586 59.433,26.586 59.992,27.146 59.992,32.043 60.45,32.501 U3.23
NetU2_6: U2.6
NetU2_7: U2.7
NetU2_14: U2.14
NetU2_16: U2.16
NetU2_23: U2.23
NetU2_24: U2.24
NetU2_26: U2.26
NetU2_29: U2.29
NetU2_36: U2.36
PMODE0: R15.1 U3.45 | length 6.8
  Top Layer w0.254: U3.45 73.189,36.001 75.667,38.479 75.667,38.547 75.951,38.831 R15.1@76.019,38.831
PMODE1: R16.1 U3.44 | length 9.1
  Top Layer w0.254: U3.44 74.746,35.501 77.792,38.547 77.838,38.547 78.123,38.831 R16.1@78.123,38.877
PMODE2: R17.1 U3.43 | length 11.6
  Top Layer w0.254: U3.43 75.244,35.001 77.904,37.661 79.106,37.661 80.333,38.887 R17.1@80.333,39.002
RCT: C11.1 R34.1 R35.2 RJ1.5 | length 19.5
  Top Layer w0.254: C11.1@57.864,45.941 C11.1@57.963,46.04
  Top Layer w0.5: C11.1@57.963,46.04 R35.2 ; R34.1 60.564,46.04 R35.2 ; RJ1.5@66.815,52.06 64.884,53.99 61.697,53.99 60.324,52.617 R35.2
RXD0: JP4.5 U2.34 | length 24.4
  Top Layer w0.254: v1(45.164,50.434) 49.063,50.434 U2.34@49.108,50.389
  Bottom Layer w0.254: JP4.5 43.895,49.166 v1(45.164,50.434)
RXN: C12.1 R35.1 U3.5 | length 13.1
  Top Layer w0.254: R35.1 60.324,42.422 61.33,41.416 65.375,41.416 ; C12.1 65.375,41.416 ; U3.5 67.172,40.627 66.383,41.416 65.375,41.416
RXNNET: C12.2 RJ1.6 | length 3.8
  Top Layer w0.5: C12.2@65.418,45.809 65.418,48.481 RJ1.6@65.418,49.647
RXP: C7.1 R34.2 U3.6 | length 14
  Top Layer w0.254: v1(62.878,42.281) 62.878,43.782 64.043,44.948 66.708,44.948 C7.1 ; v1(66.088,40.683) 66.088,40.675 66.672,40.091 U3.6
  Bottom Layer w0.254: v1(62.878,42.281) 65.38,42.281 66.02,41.641 66.02,40.751 v1(66.088,40.683)
RXPNET: C7.2 RJ1.3 | length 8.4
  Top Layer w0.254: C7.2 66.525,47.416 66.525,50.185 67.927,51.587 ; 67.928,51.587 68.07,51.729 68.944,51.729 69.085,51.587 RJ1.3@69.413,51.915
SCL: JP8.3 U2.12 | length 39.6
  Top Layer w0.254: U2.12 29.546,41.568 27.407,39.428 27.407,16.725 34.092,10.04 JP8.3@34.092,7.193
SDA: JP8.2 U2.11 | length 41.8
  Top Layer w0.254: U2.11@31.135,42.781 28.461,42.781 25.662,39.982 25.662,15.93 31.539,10.053 JP8.2@31.539,7.269
SHIELD: S1.P S2.P S3.P
TCT: C4.1@70.427,46.04 R27.2 RJ1.4 | length 6.9
  Top Layer w0.5: RJ1.4@67.958,49.52 70.345,47.132 70.345,46.425 70.542,46.228 70.615,46.228 C4.1@70.427,46.04 ; C4.1@70.709,46.04 R27.2
Touch1: JP2.2 U2.9 | length 73
  Top Layer w0.254: v1(27.948,45.354) 30.79,45.354 30.924,45.22 U2.9@30.924,45.209
  Bottom Layer w0.254: v1(27.948,45.354) 28.045,45.256 28.045,17.875 32.685,13.236 61.963,13.236 63.868,11.331 JP2.2@63.868,7.402
Touch2: JP6.2 U2.10 | length 83.6
  Top Layer w0.254: v1(29.258,44.069) U2.10@31.13,44.069
  Bottom Layer w0.254: v1(29.258,44.069) 29.266,44.061 29.266,18.501 33.259,14.508 75.631,14.508 77.711,12.429 JP6.2 77.711,7.221 JP6.2@77.701,7.211
Touch3: JP7.2 U2.8 | length 63
  Top Layer w0.254: v1(26.53,46.573) U2.8@31.035,46.573
  Bottom Layer w0.254: v1(26.53,46.573) 26.538,46.566 26.538,17.45 31.963,12.025 48.224,12.025 50.152,10.096 JP7.2
TXD0: JP4.4 U2.35 | length 26.6
  Top Layer w0.254: v1(45.118,51.603) U2.35@49.169,51.603
  Bottom Layer w0.254: JP4.4 41.355,47.84 v1(45.118,51.603)
TXN: R26.2 RJ1.2 U3.1 | length 17
  Top Layer w0.254: U3.1 69.172,40.04 v1(69.888,40.757)
  Top Layer w0.5: RJ1.2@70.625,49.52 71.999,49.52 R26.2@75.051,46.467
  Bottom Layer w0.254: v1@69.931,40.718 70.498,41.285 RJ1.2@70.498,49.52
TXP: R25.1 RJ1.1 U3.2 | length 28.5
  Top Layer w0.254: U3.2 68.674,38.778 68.674,40.736 v1(68.694,40.757)
  Top Layer w0.5: RJ1.1@71.768,52.06 76.34,52.06 77.991,50.409 R25.1@77.991,46.091
  Bottom Layer w0.254: v1(68.694,40.757) 69.677,39.774 70.782,39.774 71.681,40.673 RJ1.1@71.681,52.222
VCC-1V2: C9.1 U3.22 | length 8.3
  Top Layer w0.254: C9.1 57.675,28.967 59.05,28.967 59.479,29.396 59.479,32.259 60.221,33.001 U3.22
VCC-3V3A: C3.2 C5.2 L2.2 R25.2 R26.1 R27.1 U3.4 U3.8 U3.11 U3.15 U3.17 U3.21 | length 41.2
  Top Layer w0.254: C5.2 62.684,38.471 63.476,37.679 63.476,37.672 63.669,37.48 ; U3.21 62.399,33.503 63.52,33.503 63.669,33.651 63.669,35.501 ; U3.17 63.669,35.501 ; U3.15 63.669,36.501 ; U3.11 64.174,38.774 64.174,37.526 64.219,37.48 ; U3.8 65.672,37.531 65.621,37.48 ; 67.595,37.48 67.672,37.556 U3.4 ; R27.1 72.953,41.299 69.134,37.48 65.621,37.48 ; 63.669,35.501 63.669,36.501 ; 63.669,36.501 63.669,37.48 ; 63.669,37.48 64.219,37.48 ; 64.219,37.48 65.621,37.48
  Top Layer w0.5: L2.2@57.351,33.978 57.548,34.174 C3.2 C5.2 ; R27.1@72.911,43.805 72.953,43.804 73.338,43.801 77.62,43.801 R25.2
XI: C10.1 R33.1 U3.30 X1.1 | length 12.9
  Top Layer w0.254: C10.1@62.827,21.199 64.004,21.199 ; R33.1@65.182,21.199 64.004,21.199 ; R33.1@65.258,21.199 R33.1@65.316,21.141 ; U3.30 66.172,27.35 X1.1 63.983,21.22 64.004,21.199
XO: C6.1 R33.2 U3.31 X1.2 | length 12.8
  Top Layer w0.254: U3.31 66.672,27.272 X1.2 68.783,21.224 68.707,21.148 ; R33.2 68.707,21.148 ; C6.1 68.707,21.148
pads on no net: RJ1.7 U2.4 U2.5 U2.17 U2.18 U2.19 U2.20 U2.21 U2.22 U2.32 U3.7 U3.12 U3.13 U3.18 U3.24 U3.26 U3.46 U3.47

## Polygon pours and split planes (outlines as drawn)
GND on Bottom Layer "GND_L02_P003" (solid, pour order 3): -0.267,3.474 ccw(c3.323,3.256) 3.288,-0.341 3.289,-0.341 106.79,-0.341 ccw(c107.008,3.25) 107.225,-0.341 107.351,-0.331 ccw(c107.008,3.25) 110.588,2.898 110.605,2.962 110.605,63.537 ccw(c107.014,63.754) 110.611,63.754 ccw(c107.014,63.754) 107.211,67.346 107.175,67.351 3.547,67.351 ccw(c3.33,63.761) -0.267,63.796 -0.267,63.795
GND on Top Layer "GND_L01_P002" (solid, pour order 2): -0.267,3.474 ccw(c3.323,3.256) 3.288,-0.341 3.289,-0.341 106.79,-0.341 ccw(c107.008,3.25) 107.225,-0.341 107.351,-0.331 ccw(c107.008,3.25) 110.588,2.898 110.605,2.962 110.605,63.537 ccw(c107.014,63.754) 110.611,63.754 ccw(c107.014,63.754) 107.211,67.346 107.175,67.351 3.547,67.351 ccw(c3.33,63.761) -0.267,63.796 -0.267,63.795

## Keep-outs
Keep-Out Layer:
  lines w0.254: -0.14,3.216 -0.14,63.795 cw(c3.33,63.761) 3.543,67.224 107.175,67.224 ; -0.14,3.47 ccw(c3.323,3.256) 3.289,-0.213 107.302,-0.213 ; 106.794,-0.213 ccw(c107.008,3.25) 110.477,3.216 ; 107.048,67.224 cw(c107.014,63.754) 110.477,63.541 ; 110.477,2.962 110.477,63.922

## Silkscreen, mask and mechanical layers (free items; w line width, h text height)
Top Overlay:
  lines w0.254: 54.242,48.659 54.242,55.405 ; 54.242,48.677 ccw(c55.377,48.717) 55.418,47.582 ; 55.331,47.582 57.445,47.582 ; 71.951,38.204 71.951,41.455 ; 71.951,41.372 cw(c73.086,41.412) 73.045,42.548 ; 73.007,42.548 76.934,42.548 ; 78.118,47.523 80.392,47.523 ; 80.354,47.523 ccw(c80.313,48.659) 81.449,48.699 ; 81.448,48.616 81.449,56.525
  text "Negatoscop" at 81.886,61.149 h3.5
  text "Unit" at 81.469,57.472 h3.5
  text "Version 1.1" at 88.015,57.394 h1.2
  text "3V3 EN IO0 TXD RXD GND" at 32.319,32.857 h1.4
  text "RESET" at 33.038,16.001 h1.2
  text "BOOT" at 43.759,16.001 h1.2
  text "- 12V INPUT +" at 10.716,13.686 h1.6
  text "+ LED L -" at 86.309,9.637 h1.6
  text "+ LED R -" at 98.496,9.637 h1.6
  text "TOUCH PORT" at 29.444,9.62 h1.6
  text "SENSOR 1" at 46.444,9.62 h1.6
  text "SENSOR 2" at 60.18,9.62 h1.6
  text "SENSOR 3" at 74.021,9.62 h1.6
  text "3.3V" at 0.688,1.86 h1.6
  text "12V" at 4.371,1.86 h1.6

## Text inside footprints (layer, text, board x,y; h text height)
S1: Top Overlay "3.0" at 6.289,20.805 h0.7 r45
S2: Top Overlay "3.0" at 55.019,59.505 h0.7 r45
S3: Top Overlay "3.0" at 106.558,59.505 h0.7 r45
U2: Mechanical 4 "ANTENNA" at 34.405,58.681 h1.4; Mechanical 4 "ANTENNA" at 34.405,58.681 h1.4